# EAGLE board Mk4 Final Panel 8up 2x4 (EAGLE 9.0.1), part 17 of 23
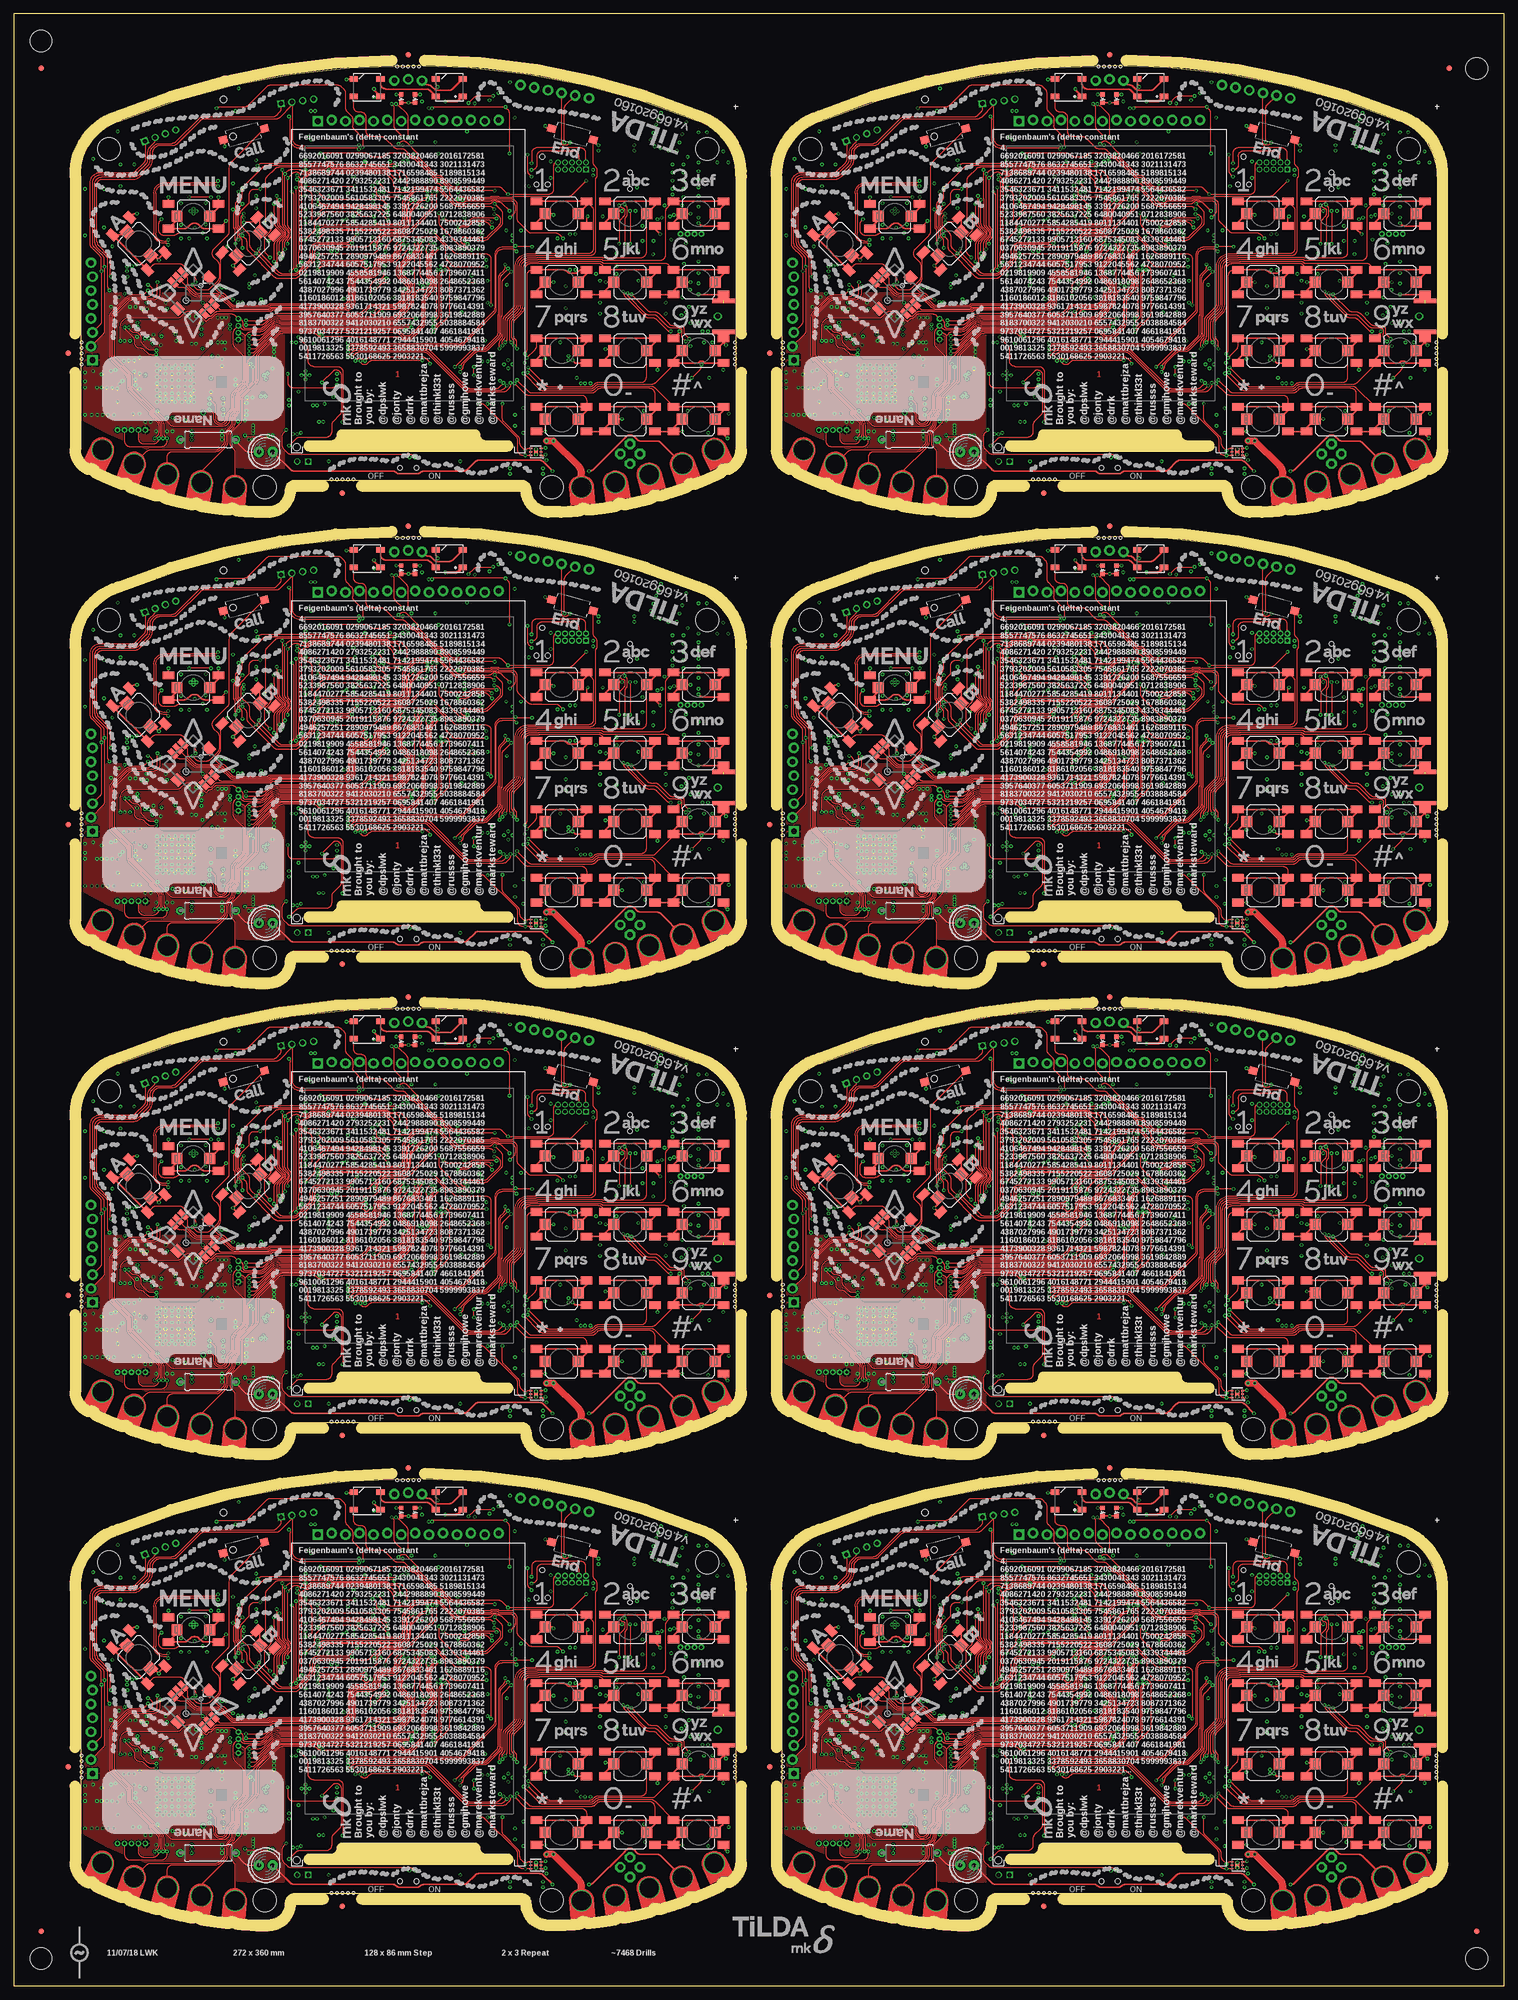
[diagram p0: board, top side]
## Tracks (layer width: path | path; a pad name or v marks a point on that pad's centre or on a via) (continued)
SDRAM_A59  (via drill 0.3) (continued)
  Top 0.15: v68.3,236.3 66.49,238.11 arc45 65.79,238.4 63.42,238.4 arc-45 63.28,238.46 63.28,238.47 arc45 63.13,238.53 56.94,238.53 arc45 56.23,238.23 v55.5,237.5 | v47,237.5 47,234.83 arc-45 46.71,234.12 46.14,233.56 arc45 45.85,232.85 45.85,230.81 arc45 46.14,230.11 v46.75,229.5
  Bottom 0.15: v55.5,237.5 IC73.13 v47,237.5 | IC73.32 v46.75,229.5 | IC74.25 68.6,231.26 68.62,231.28 68.62,235.56 arc45 68.33,236.27 v68.3,236.3
SDRAM_A60  (via drill 0.3)
  Top 0.15: v61.75,232.1 v61.74,232.09 arc-45 61.04,231.8 55.75,231.8 arc90 54.5,230.55 54.5,229.5 arc-45 54.21,228.79 51.89,226.47 arc-45 51.18,226.18 48.74,226.18 arc-45 48.03,226.47 v44.25,230.25 43.29,231.21 arc-45 43,231.91 43,233.33 arc45 42.71,234.03 41.47,235.27 arc-45 41.4,235.45 41.4,236.69 arc-45 41.55,237.05 v42,237.5
  Bottom 0.15: IC73.42 v42,237.5 | IC73.33 43.7,230.3 arc45 43.82,230.25 v44.25,230.25 | IC74.40 63.66,233.6 arc45 62.96,233.31 v61.75,232.1
SDRAM_A61  (via drill 0.3)
  Top 0.15: v41.75,231.25 41.75,232.34 arc45 41.46,233.05 41.38,233.12 arc-45 41.16,233.65 41.16,234.58 arc45 41.09,234.76 40.87,234.98 arc-45 40.8,235.16 40.8,237.24 arc-45 40.95,237.59 41.02,237.67 arc45 41.16,238.02 41.16,238.25 arc-45 41.46,238.96 v41.75,239.25 | v62.65,233.75 61.32,232.42 arc-45 60.61,232.12 55.5,232.12 arc90 54,230.62 54,229.42 arc-45 53.71,228.72 51.76,226.77 arc-45 51.05,226.47 49.2,226.47 arc-45 48.49,226.77 45.04,230.22 arc-45 44.75,230.92 v44.75,231
  Bottom 0.15: IC73.44 42.65,239.1 42.65,239.1 arc45 42.29,239.25 v41.75,239.25 | v41.75,231.25 42.29,231.25 arc-45 42.65,231.1 IC73.34 44.51,231.1 arc-45 v44.75,231 | IC74.41 63.25,234 arc45 v62.65,233.75
SDRAM_A62  (via drill 0.3)
  Top 0.15: v55.5,230.25 55.58,230.18 65.35,230.18 arc45 66.06,230.47 66.9,231.31 arc45 67.05,231.66 v67.05,231.8 | v48.5,230.25 48.5,231.95 arc-45 48.79,232.65 49.48,233.34 arc90 49.48,234.4 48.79,235.09 arc-45 48.5,235.8 v48.5,240
  Bottom 0.15: IC73.45 43.82,239.9 arc45 43.96,239.96 arc-45 44.06,240 v48.5,240 | v55.5,230.25 55,230.25 54.95,230.3 IC73.22 53.8,230.3 arc-45 53.68,230.25 v48.5,230.25 | IC74.50 65.54,237.6 arc-45 66.24,237.31 66.76,236.79 arc-45 67.05,236.09 v67.05,231.8
SDRAM_A63  (via drill 0.3)
  Top 0.15: v41,232.75 41,233.08 40.86,233.22 40.86,234.46 arc45 40.79,234.64 40.57,234.85 arc-45 40.5,235.03 40.5,237.37 arc-45 40.65,237.72 40.72,237.79 arc45 40.86,238.14 40.86,238.95 arc-45 41.16,239.66 41.46,239.96 arc45 41.75,240.66 v41.75,242.25 45.53,246.03 arc-45 46.24,246.32 56.73,246.32 56.79,246.38 arc-90 58.21,246.38 58.42,246.18 68.97,246.18 arc-45 v69.47,245.97
  Bottom 0.15: IC73.48 42.55,242.3 42.5,242.25 v41.75,242.25 | IC73.36 42.55,232.7 42.5,232.75 v41,232.75 | v69.47,245.97 69.8,245.64 IC74.75
SDRAM_A64  (via drill 0.3)
  Top 0.15: v41,241.5 41,240.41 arc-45 40.71,239.71 arc45 40.5,239.21 40.5,238.49 40.52,238.47 40.52,238.1 arc-45 40.48,237.98 40.48,237.97 40.35,237.84 arc45 40.2,237.49 40.2,234.91 arc45 40.27,234.73 40.4,234.6 arc-45 40.48,234.42 40.48,232.53 40.5,232.51 v40.5,232 | v53.25,232.75 54.68,234.18 arc45 54.98,234.89 54.98,235.71 arc-45 55.27,236.42 56.46,237.61 arc-45 57.16,237.9 61.94,237.9 arc-45 62.64,237.61 62.96,237.29 arc45 63.66,237 v65.75,237
  Bottom 0.15: IC73.47 v41,241.5 | v40.5,232 42.42,232 arc-45 42.56,231.94 42.6,231.9 IC73.35 48.49,231.9 arc45 49.19,232.19 49.46,232.46 arc-45 50.16,232.75 v53.25,232.75 | IC74.49 65.27,237.2 arc-45 v65.75,237
SDRAM_A65  (via drill 0.3)
  Top 0.15: v177,245.5 v177,245.49 176.97,245.47 176.97,240.27 177.03,240.22 177.03,235.7 arc45 177.32,234.99 177.73,234.58 arc-90 177.73,233.17 177.27,232.71 arc45 176.97,232 176.97,230.52 177.03,230.47 177.03,230.03 177,230.01 v177,229.5 | v192.3,229.5 191.99,229.19 arc-45 191.29,228.9 184.51,228.9 arc-45 183.81,229.19 v183.5,229.5
  Bottom 0.15: IC91.2 178.21,246.3 arc45 177.51,246.01 v177,245.5 | IC92.29 195,230.03 arc90 194.5,230.53 194.12,230.53 | v183.5,229.5 IC91.23 v177,229.5 | 194.12,230.53 | 194.12,230.53 193.68,230.53 arc45 193.08,230.28 v192.3,229.5
SDRAM_A66  (via drill 0.3)
  Top 0.15: v192.3,228.75 arc-45 191.94,228.6 183.86,228.6 arc-45 v183.5,228.75 | v179.75,244.5 180.11,244.14 arc-45 180.4,243.44 180.4,242.13 arc45 180.44,242.03 arc-45 180.5,241.89 v180.5,228.75
  Bottom 0.15: v179.75,244.5 arc-45 180.23,244.7 IC91.4 | IC92.30 194.6,229.97 arc90 194.35,230.22 193.68,230.22 arc45 193.33,230.08 193.21,229.96 arc45 193,229.45 arc-90 v192.3,228.75 | v183.5,228.75 183.07,228.75 arc45 182.95,228.7 IC91.24 181.8,228.7 181.75,228.75 v180.5,228.75
SDRAM_A67  (via drill 0.3)
  Top 0.15: v179.7,243.75 179.73,243.72 arc-45 180.03,243.01 180.03,230.4 179.97,230.35 179.97,228.03 v180,228 | v192.3,228 v192.29,228.01 arc45 191.59,228.3 184.21,228.3 arc45 v183.51,228.01 v183.5,228
  Bottom 0.15: v179.7,243.75 arc-45 180.06,243.9 IC91.5 | v183.5,228 183.08,228 arc45 182.94,227.94 182.9,227.9 IC91.25 181.85,227.9 181.81,227.94 arc45 181.67,228 v180,228 | IC92.31 194.2,227.85 arc-90 193.7,227.35 192.8,227.35 arc-90 192.3,227.85 v192.3,228 v192.3,227.99
SDRAM_A68  (via drill 0.3)
  Top 0.15: v179.5,242.25 179.47,242.22 179.47,227.28 v179.5,227.25 | v183.5,227.25 183.96,227.71 arc-45 184.66,228 191.14,228 arc-45 191.84,227.71 192.02,227.53 arc90 192.73,227.53 v193.2,228
  Bottom 0.15: v183.5,227.25 183,227.25 182.85,227.1 IC91.26 181.9,227.1 181.81,227.19 arc45 181.67,227.25 v179.5,227.25 | v193.2,228 193.3,228 arc90 193.8,228.5 IC92.32 | v179.5,242.25 179.52,242.25 179.57,242.2 180.61,242.2 arc-45 180.75,242.14 180.78,242.11 arc90 181.83,242.11 182.02,242.3 IC91.7
SDRAM_A69  (via drill 0.3)
  Top 0.15: v183.5,241.5 184.58,240.42 arc45 185.29,240.12 194.71,240.12 arc-45 195.42,239.83 v196.25,239 | v178.75,241.5 178.95,241.3 arc-45 179.1,240.94 179.1,227.76 arc-45 178.95,227.4 v178.55,227
  Bottom 0.15: IC92.22 197.8,237.04 arc45 197.51,237.74 v196.25,239 | v178.75,241.5 IC91.8 v183.5,241.5 | IC91.29 171.59,227.1 arc-45 171.69,227.06 arc45 171.83,227 v178.55,227
SDRAM_A70  (via drill 0.3)
  Top 0.15: v176,240.75 175.97,240.72 175.97,239.58 arc45 176.02,239.48 arc-45 176.07,239.34 176.07,235.8 arc45 176.37,235.09 177.24,234.23 arc-90 177.24,233.52 176.27,232.55 arc45 175.97,231.85 175.97,229.4 176.03,229.35 176.03,228.03 v176,228 | v196.25,238 195.54,238.71 arc45 194.84,239 191.67,239 arc-45 191.53,239.06 191.53,239.07 arc45 191.38,239.12 184.79,239.12 arc-45 184.08,239.42 v183.5,240
  Bottom 0.15: v196.25,238 197.11,237.14 arc-45 197.4,236.44 IC92.23 | v176,240.75 176.09,240.75 arc-45 176.79,240.46 176.96,240.29 arc45 177.66,240 181.42,240 arc-45 181.56,239.94 arc45 181.66,239.9 IC91.10 182.82,239.9 arc45 182.96,239.96 arc-45 183.06,240 v183.5,240 | IC91.30 171.59,227.9 arc45 171.69,227.94 arc-45 171.83,228 v176,228
SDRAM_A71  (via drill 0.3)
  Top 0.15: v175.5,239.25 175.5,237.74 175.53,237.72 175.53,235.93 arc45 175.82,235.22 176.99,234.05 arc-90 176.99,233.7 175.79,232.5 arc45 175.5,231.8 v175.5,228.75 | v196.25,237.25 195.09,238.41 arc45 194.39,238.7 191.55,238.7 arc-45 191.41,238.76 191.4,238.77 arc45 191.26,238.82 184.34,238.82 arc-45 183.63,239.12 v183.5,239.25
  Bottom 0.15: v196.25,237.25 196.71,236.79 arc-45 197,236.09 IC92.24 | v175.5,239.25 181.42,239.25 arc-45 181.56,239.19 181.59,239.16 arc45 181.73,239.1 IC91.11 182.77,239.1 arc45 182.91,239.16 182.94,239.19 arc-45 183.08,239.25 v183.5,239.25 | IC91.31 171.7,228.7 arc-45 171.82,228.75 v175.5,228.75
SDRAM_A72  (via drill 0.3)
  Top 0.15: v196.3,236.3 194.49,238.11 arc45 193.79,238.4 191.43,238.4 arc-45 191.28,238.46 191.28,238.47 arc45 191.13,238.53 184.94,238.53 arc45 184.23,238.23 v183.5,237.5 | v175,237.5 175,234.83 arc-45 174.71,234.12 174.14,233.56 arc45 173.85,232.85 173.85,230.81 arc45 174.14,230.11 v174.75,229.5
  Bottom 0.15: v183.5,237.5 IC91.13 v175,237.5 | IC91.32 v174.75,229.5 | IC92.25 196.6,231.26 196.62,231.28 196.62,235.56 arc45 196.33,236.27 v196.3,236.3
SDRAM_A73  (via drill 0.3)
  Top 0.15: v189.75,232.1 v189.74,232.09 arc-45 189.04,231.8 183.75,231.8 arc90 182.5,230.55 182.5,229.5 arc-45 182.21,228.79 179.88,226.47 arc-45 179.18,226.18 176.74,226.18 arc-45 176.03,226.47 v172.25,230.25 171.29,231.21 arc-45 171,231.91 171,233.33 arc45 170.71,234.03 169.47,235.27 arc-45 169.4,235.45 169.4,236.69 arc-45 169.55,237.05 v170,237.5
  Bottom 0.15: IC91.42 v170,237.5 | IC91.33 171.7,230.3 arc45 171.82,230.25 v172.25,230.25 | IC92.40 191.66,233.6 arc45 190.96,233.31 v189.75,232.1
SDRAM_A74  (via drill 0.3)
  Top 0.15: v169.75,231.25 169.75,232.34 arc45 169.46,233.05 169.38,233.12 arc-45 169.16,233.65 169.16,234.58 arc45 169.09,234.76 168.87,234.98 arc-45 168.8,235.16 168.8,237.24 arc-45 168.95,237.59 169.02,237.67 arc45 169.16,238.02 169.16,238.25 arc-45 169.46,238.96 v169.75,239.25 | v190.65,233.75 189.32,232.42 arc-45 188.61,232.12 183.5,232.12 arc90 182,230.62 182,229.42 arc-45 181.71,228.72 179.76,226.77 arc-45 179.05,226.47 177.2,226.47 arc-45 176.49,226.77 173.04,230.22 arc-45 172.75,230.92 v172.75,231
  Bottom 0.15: IC91.44 170.65,239.1 170.65,239.1 arc45 170.29,239.25 v169.75,239.25 | v169.75,231.25 170.29,231.25 arc-45 170.65,231.1 IC91.34 172.51,231.1 arc-45 v172.75,231 | IC92.41 191.25,234 arc45 v190.65,233.75
SDRAM_A75  (via drill 0.3)
  Top 0.15: v183.5,230.25 183.57,230.18 193.35,230.18 arc45 194.06,230.47 194.9,231.31 arc45 195.05,231.66 v195.05,231.8 | v176.5,230.25 176.5,231.95 arc-45 176.79,232.65 177.48,233.34 arc90 177.48,234.4 176.79,235.09 arc-45 176.5,235.8 v176.5,240
  Bottom 0.15: IC91.45 171.82,239.9 arc45 171.96,239.96 arc-45 172.06,240 v176.5,240 | v183.5,230.25 183,230.25 182.95,230.3 IC91.22 181.8,230.3 arc-45 181.68,230.25 v176.5,230.25 | IC92.50 193.54,237.6 arc-45 194.24,237.31 194.76,236.79 arc-45 195.05,236.09 v195.05,231.8
SDRAM_A76  (via drill 0.3)
  Top 0.15: v169,232.75 169,233.08 168.86,233.22 168.86,234.46 arc45 168.79,234.64 168.57,234.85 arc-45 168.5,235.03 168.5,237.37 arc-45 168.65,237.72 168.72,237.79 arc45 168.86,238.14 168.86,238.95 arc-45 169.16,239.66 169.46,239.96 arc45 169.75,240.66 v169.75,242.25 173.53,246.03 arc-45 174.24,246.32 184.73,246.32 184.79,246.38 arc-90 186.21,246.38 186.42,246.18 196.97,246.18 arc-45 v197.47,245.97
  Bottom 0.15: IC91.48 170.55,242.3 170.5,242.25 v169.75,242.25 | IC91.36 170.55,232.7 170.5,232.75 v169,232.75 | v197.47,245.97 197.8,245.64 IC92.75
SDRAM_A77  (via drill 0.3)
  Top 0.15: v169,241.5 169,240.41 arc-45 168.71,239.71 arc45 168.5,239.21 168.5,238.49 168.53,238.47 168.53,238.1 arc-45 168.47,237.98 168.47,237.97 168.35,237.84 arc45 168.2,237.49 168.2,234.91 arc45 168.27,234.73 168.4,234.6 arc-45 168.47,234.42 168.47,232.53 168.5,232.51 v168.5,232 | v181.25,232.75 182.68,234.18 arc45 182.97,234.89 182.97,235.71 arc-45 183.27,236.42 184.46,237.61 arc-45 185.16,237.9 189.94,237.9 arc-45 190.64,237.61 190.96,237.29 arc45 191.66,237 v193.75,237
  Bottom 0.15: IC91.47 v169,241.5 | v168.5,232 170.42,232 arc-45 170.56,231.94 170.6,231.9 IC91.35 176.49,231.9 arc45 177.19,232.19 177.46,232.46 arc-45 178.16,232.75 v181.25,232.75 | IC92.49 193.27,237.2 arc-45 v193.75,237
SDRAM_A78  (via drill 0.3)
  Top 0.15: v49,331.5 v49,331.49 48.98,331.47 48.98,326.27 49.02,326.22 49.02,321.7 arc45 49.32,320.99 49.73,320.58 arc-90 49.73,319.17 49.27,318.7 arc45 48.98,318 48.98,316.52 49.02,316.47 49.02,316.03 49,316.01 v49,315.5 | v64.3,315.5 63.99,315.19 arc-45 63.29,314.9 56.51,314.9 arc-45 55.81,315.19 v55.5,315.5
  Bottom 0.15: IC109.2 50.21,332.3 arc45 49.51,332.01 v49,331.5 | IC110.29 67,316.02 arc90 66.5,316.52 66.12,316.52 | v55.5,315.5 IC109.23 v49,315.5 | 66.12,316.52 | 66.12,316.52 65.68,316.52 arc45 65.08,316.28 v64.3,315.5
SDRAM_A79  (via drill 0.3)
  Top 0.15: v64.3,314.75 arc-45 63.94,314.6 55.86,314.6 arc-45 v55.5,314.75 | v51.75,330.5 52.11,330.14 arc-45 52.4,329.44 52.4,328.13 arc45 52.44,328.03 arc-45 52.5,327.89 v52.5,314.75
  Bottom 0.15: v51.75,330.5 arc-45 52.23,330.7 IC109.4 | IC110.30 66.6,315.98 arc90 66.35,316.23 65.68,316.23 arc45 65.33,316.08 65.21,315.96 arc45 65,315.45 arc-90 v64.3,314.75 | v55.5,314.75 55.07,314.75 arc45 54.95,314.7 IC109.24 53.8,314.7 53.75,314.75 v52.5,314.75
SDRAM_A80  (via drill 0.3)
  Top 0.15: v51.7,329.75 51.73,329.72 arc-45 52.02,329.01 52.02,316.4 51.98,316.35 51.98,314.02 v52,314 | v64.3,314 v64.29,314.01 arc45 63.59,314.3 56.21,314.3 arc45 v55.51,314.01 v55.5,314
  Bottom 0.15: v51.7,329.75 arc-45 52.06,329.9 IC109.5 | v55.5,314 55.08,314 arc45 54.94,313.94 54.9,313.9 IC109.25 53.85,313.9 53.81,313.94 arc45 53.67,314 v52,314 | IC110.31 66.2,313.85 arc-90 65.7,313.35 64.8,313.35 arc-90 64.3,313.85 v64.3,314 v64.3,313.99
SDRAM_A81  (via drill 0.3)
  Top 0.15: v51.5,328.25 51.48,328.23 51.48,313.27 v51.5,313.25 | v55.5,313.25 55.96,313.71 arc-45 56.66,314 63.14,314 arc-45 63.84,313.71 64.02,313.53 arc90 64.73,313.53 v65.2,314
  Bottom 0.15: v55.5,313.25 55,313.25 54.85,313.1 IC109.26 53.9,313.1 53.81,313.19 arc45 53.67,313.25 v51.5,313.25 | v65.2,314 65.3,314 arc90 65.8,314.5 IC110.32 | v51.5,328.25 51.52,328.25 51.57,328.2 52.61,328.2 arc-45 52.75,328.14 52.77,328.11 arc90 53.84,328.11 54.02,328.3 IC109.7
SDRAM_A82  (via drill 0.3)
  Top 0.15: v55.5,327.5 56.58,326.42 arc45 57.29,326.12 66.71,326.12 arc-45 67.42,325.83 v68.25,325 | v50.75,327.5 50.95,327.3 arc-45 51.1,326.94 51.1,313.76 arc-45 50.95,313.4 v50.55,313
  Bottom 0.15: IC110.22 69.8,323.04 arc45 69.51,323.74 v68.25,325 | v50.75,327.5 IC109.8 v55.5,327.5 | IC109.29 43.59,313.1 arc-45 43.69,313.06 arc45 43.83,313 v50.55,313
SDRAM_A83  (via drill 0.3)
  Top 0.15: v48,326.75 47.98,326.73 47.98,325.58 arc45 48.02,325.48 arc-45 48.08,325.33 48.08,321.8 arc45 48.37,321.09 49.23,320.23 arc-90 49.23,319.52 48.27,318.55 arc45 47.98,317.85 47.98,315.4 48.02,315.35 48.02,314.02 v48,314 | v68.25,324 67.54,324.71 arc45 66.84,325 63.67,325 arc-45 63.53,325.06 63.52,325.07 arc45 63.38,325.12 56.79,325.12 arc-45 56.08,325.42 v55.5,326
  Bottom 0.15: v68.25,324 69.11,323.14 arc-45 69.4,322.44 IC110.23 | v48,326.75 48.09,326.75 arc-45 48.79,326.46 48.96,326.29 arc45 49.66,326 53.42,326 arc-45 53.56,325.94 arc45 53.66,325.9 IC109.10 54.82,325.9 arc45 54.96,325.96 arc-45 55.06,326 v55.5,326 | IC109.30 43.59,313.9 arc45 43.69,313.94 arc-45 43.83,314 v48,314
SDRAM_A84  (via drill 0.3)
  Top 0.15: v47.5,325.25 47.5,323.74 47.52,323.72 47.52,321.93 arc45 47.82,321.22 48.99,320.05 arc-90 48.99,319.7 47.79,318.5 arc45 47.5,317.8 v47.5,314.75 | v68.25,323.25 67.09,324.41 arc45 66.39,324.7 63.55,324.7 arc-45 63.41,324.76 63.4,324.77 arc45 63.26,324.82 56.34,324.82 arc-45 55.63,325.12 v55.5,325.25
  Bottom 0.15: v68.25,323.25 68.71,322.79 arc-45 69,322.09 IC110.24 | v47.5,325.25 53.42,325.25 arc-45 53.56,325.19 53.59,325.16 arc45 53.73,325.1 IC109.11 54.77,325.1 arc45 54.91,325.16 54.94,325.19 arc-45 55.08,325.25 v55.5,325.25 | IC109.31 43.7,314.7 arc-45 43.82,314.75 v47.5,314.75
SDRAM_A85  (via drill 0.3)
  Top 0.15: v68.3,322.3 66.49,324.11 arc45 65.79,324.4 63.42,324.4 arc-45 63.28,324.46 63.28,324.47 arc45 63.13,324.52 56.94,324.52 arc45 56.23,324.23 v55.5,323.5 | v47,323.5 47,320.83 arc-45 46.71,320.12 46.14,319.56 arc45 45.85,318.85 45.85,316.81 arc45 46.14,316.11 v46.75,315.5
  Bottom 0.15: v55.5,323.5 IC109.13 v47,323.5 | IC109.32 v46.75,315.5 | IC110.25 68.6,317.26 68.62,317.28 68.62,321.56 arc45 68.33,322.27 v68.3,322.3
SDRAM_A86  (via drill 0.3)
  Top 0.15: v61.75,318.1 v61.74,318.09 arc-45 61.04,317.8 55.75,317.8 arc90 54.5,316.55 54.5,315.5 arc-45 54.21,314.79 51.89,312.47 arc-45 51.18,312.18 48.74,312.18 arc-45 48.03,312.47 v44.25,316.25 43.29,317.21 arc-45 43,317.91 43,319.33 arc45 42.71,320.04 41.47,321.27 arc-45 41.4,321.45 41.4,322.69 arc-45 41.55,323.05 v42,323.5
  Bottom 0.15: IC109.42 v42,323.5 | IC109.33 43.7,316.3 arc45 43.82,316.25 v44.25,316.25 | IC110.40 63.66,319.6 arc45 62.96,319.31 v61.75,318.1
SDRAM_A87  (via drill 0.3)
  Top 0.15: v41.75,317.25 41.75,318.34 arc45 41.46,319.05 41.38,319.12 arc-45 41.16,319.65 41.16,320.58 arc45 41.09,320.76 40.87,320.98 arc-45 40.8,321.15 40.8,323.24 arc-45 40.95,323.6 41.02,323.67 arc45 41.16,324.02 41.16,324.25 arc-45 41.46,324.96 v41.75,325.25 | v62.65,319.75 61.32,318.42 arc-45 60.61,318.12 55.5,318.12 arc90 54,316.62 54,315.42 arc-45 53.71,314.71 51.76,312.77 arc-45 51.05,312.48 49.2,312.48 arc-45 48.49,312.77 45.04,316.21 arc-45 44.75,316.92 v44.75,317
  Bottom 0.15: IC109.44 42.65,325.1 42.65,325.1 arc45 42.29,325.25 v41.75,325.25 | v41.75,317.25 42.29,317.25 arc-45 42.65,317.1 IC109.34 44.51,317.1 arc-45 v44.75,317 | IC110.41 63.25,320 arc45 v62.65,319.75
SDRAM_A88  (via drill 0.3)
  Top 0.15: v55.5,316.25 55.58,316.18 65.35,316.18 arc45 66.06,316.47 66.9,317.31 arc45 67.05,317.67 v67.05,317.8 | v48.5,316.25 48.5,317.95 arc-45 48.79,318.65 49.48,319.34 arc90 49.48,320.4 48.79,321.09 arc-45 48.5,321.8 v48.5,326
  Bottom 0.15: IC109.45 43.82,325.9 arc45 43.96,325.96 arc-45 44.06,326 v48.5,326 | v55.5,316.25 55,316.25 54.95,316.3 IC109.22 53.8,316.3 arc-45 53.68,316.25 v48.5,316.25 | IC110.50 65.54,323.6 arc-45 66.24,323.31 66.76,322.79 arc-45 67.05,322.09 v67.05,317.8
SDRAM_A89  (via drill 0.3)
  Top 0.15: v41,318.75 41,319.08 40.86,319.22 40.86,320.46 arc45 40.79,320.64 40.57,320.85 arc-45 40.5,321.03 40.5,323.37 arc-45 40.65,323.72 40.72,323.79 arc45 40.86,324.14 40.86,324.95 arc-45 41.16,325.66 41.46,325.96 arc45 41.75,326.66 v41.75,328.25 45.53,332.03 arc-45 46.24,332.32 56.73,332.32 56.79,332.38 arc-90 58.21,332.38 58.42,332.18 68.97,332.18 arc-45 v69.47,331.97
  Bottom 0.15: IC109.48 42.55,328.3 42.5,328.25 v41.75,328.25 | IC109.36 42.55,318.7 42.5,318.75 v41,318.75 | v69.47,331.97 69.8,331.64 IC110.75
SDRAM_A90  (via drill 0.3)
  Top 0.15: v41,327.5 41,326.41 arc-45 40.71,325.71 arc45 40.5,325.21 40.5,324.49 40.52,324.47 40.52,324.1 arc-45 40.48,323.98 40.48,323.97 40.35,323.84 arc45 40.2,323.49 40.2,320.91 arc45 40.27,320.73 40.4,320.6 arc-45 40.48,320.42 40.48,318.53 40.5,318.51 v40.5,318 | v53.25,318.75 54.68,320.18 arc45 54.98,320.89 54.98,321.71 arc-45 55.27,322.42 56.46,323.61 arc-45 57.16,323.9 61.94,323.9 arc-45 62.64,323.61 62.96,323.29 arc45 63.66,323 v65.75,323
  Bottom 0.15: IC109.47 v41,327.5 | v40.5,318 42.42,318 arc-45 42.56,317.94 42.6,317.9 IC109.35 48.49,317.9 arc45 49.19,318.19 49.46,318.46 arc-45 50.16,318.75 v53.25,318.75 | IC110.49 65.27,323.2 arc-45 v65.75,323
SDRAM_A91  (via drill 0.3)
  Top 0.15: v177,331.5 v177,331.49 176.97,331.47 176.97,326.27 177.03,326.22 177.03,321.7 arc45 177.32,320.99 177.73,320.58 arc-90 177.73,319.17 177.27,318.7 arc45 176.97,318 176.97,316.52 177.03,316.47 177.03,316.03 177,316.01 v177,315.5 | v192.3,315.5 191.99,315.19 arc-45 191.29,314.9 184.51,314.9 arc-45 183.81,315.19 v183.5,315.5
  Bottom 0.15: IC127.2 178.21,332.3 arc45 177.51,332.01 v177,331.5 | IC128.29 195,316.02 arc90 194.5,316.52 194.12,316.52 | v183.5,315.5 IC127.23 v177,315.5 | 194.12,316.52 | 194.12,316.52 193.68,316.52 arc45 193.08,316.28 v192.3,315.5
SDRAM_A92  (via drill 0.3)
  Top 0.15: v192.3,314.75 arc-45 191.94,314.6 183.86,314.6 arc-45 v183.5,314.75 | v179.75,330.5 180.11,330.14 arc-45 180.4,329.44 180.4,328.13 arc45 180.44,328.03 arc-45 180.5,327.89 v180.5,314.75
  Bottom 0.15: v179.75,330.5 arc-45 180.23,330.7 IC127.4 | IC128.30 194.6,315.98 arc90 194.35,316.23 193.68,316.23 arc45 193.33,316.08 193.21,315.96 arc45 193,315.45 arc-90 v192.3,314.75 | v183.5,314.75 183.07,314.75 arc45 182.95,314.7 IC127.24 181.8,314.7 181.75,314.75 v180.5,314.75
SDRAM_A93  (via drill 0.3)
  Top 0.15: v179.7,329.75 179.73,329.72 arc-45 180.03,329.01 180.03,316.4 179.97,316.35 179.97,314.02 v180,314 | v192.3,314 v192.29,314.01 arc45 191.59,314.3 184.21,314.3 arc45 v183.51,314.01 v183.5,314
  Bottom 0.15: v179.7,329.75 arc-45 180.06,329.9 IC127.5 | v183.5,314 183.08,314 arc45 182.94,313.94 182.9,313.9 IC127.25 181.85,313.9 181.81,313.94 arc45 181.67,314 v180,314 | IC128.31 194.2,313.85 arc-90 193.7,313.35 192.8,313.35 arc-90 192.3,313.85 v192.3,314 v192.3,313.99
SDRAM_A94  (via drill 0.3)
  Top 0.15: v179.5,328.25 179.47,328.23 179.47,313.27 v179.5,313.25 | v183.5,313.25 183.96,313.71 arc-45 184.66,314 191.14,314 arc-45 191.84,313.71 192.02,313.53 arc90 192.73,313.53 v193.2,314
  Bottom 0.15: v183.5,313.25 183,313.25 182.85,313.1 IC127.26 181.9,313.1 181.81,313.19 arc45 181.67,313.25 v179.5,313.25 | v193.2,314 193.3,314 arc90 193.8,314.5 IC128.32 | v179.5,328.25 179.52,328.25 179.57,328.2 180.61,328.2 arc-45 180.75,328.14 180.78,328.11 arc90 181.83,328.11 182.02,328.3 IC127.7
SDRAM_A95  (via drill 0.3)
  Top 0.15: v183.5,327.5 184.58,326.42 arc45 185.29,326.12 194.71,326.12 arc-45 195.42,325.83 v196.25,325 | v178.75,327.5 178.95,327.3 arc-45 179.1,326.94 179.1,313.76 arc-45 178.95,313.4 v178.55,313
  Bottom 0.15: IC128.22 197.8,323.04 arc45 197.51,323.74 v196.25,325 | v178.75,327.5 IC127.8 v183.5,327.5 | IC127.29 171.59,313.1 arc-45 171.69,313.06 arc45 171.83,313 v178.55,313
SDRAM_A96  (via drill 0.3)
  Top 0.15: v176,326.75 175.97,326.73 175.97,325.58 arc45 176.02,325.48 arc-45 176.07,325.33 176.07,321.8 arc45 176.37,321.09 177.24,320.23 arc-90 177.24,319.52 176.27,318.55 arc45 175.97,317.85 175.97,315.4 176.03,315.35 176.03,314.02 v176,314 | v196.25,324 195.54,324.71 arc45 194.84,325 191.67,325 arc-45 191.53,325.06 191.53,325.07 arc45 191.38,325.12 184.79,325.12 arc-45 184.08,325.42 v183.5,326
  Bottom 0.15: v196.25,324 197.11,323.14 arc-45 197.4,322.44 IC128.23 | v176,326.75 176.09,326.75 arc-45 176.79,326.46 176.96,326.29 arc45 177.66,326 181.42,326 arc-45 181.56,325.94 arc45 181.66,325.9 IC127.10 182.82,325.9 arc45 182.96,325.96 arc-45 183.06,326 v183.5,326 | IC127.30 171.59,313.9 arc45 171.69,313.94 arc-45 171.83,314 v176,314
SDRAM_A97  (via drill 0.3)
  Top 0.15: v175.5,325.25 175.5,323.74 175.53,323.72 175.53,321.93 arc45 175.82,321.22 176.99,320.05 arc-90 176.99,319.7 175.79,318.5 arc45 175.5,317.8 v175.5,314.75 | v196.25,323.25 195.09,324.41 arc45 194.39,324.7 191.55,324.7 arc-45 191.41,324.76 191.4,324.77 arc45 191.26,324.82 184.34,324.82 arc-45 183.63,325.12 v183.5,325.25
  Bottom 0.15: v196.25,323.25 196.71,322.79 arc-45 197,322.09 IC128.24 | v175.5,325.25 181.42,325.25 arc-45 181.56,325.19 181.59,325.16 arc45 181.73,325.1 IC127.11 182.77,325.1 arc45 182.91,325.16 182.94,325.19 arc-45 183.08,325.25 v183.5,325.25 | IC127.31 171.7,314.7 arc-45 171.82,314.75 v175.5,314.75
SDRAM_A98  (via drill 0.3)
  Top 0.15: v196.3,322.3 194.49,324.11 arc45 193.79,324.4 191.43,324.4 arc-45 191.28,324.46 191.28,324.47 arc45 191.13,324.52 184.94,324.52 arc45 184.23,324.23 v183.5,323.5 | v175,323.5 175,320.83 arc-45 174.71,320.12 174.14,319.56 arc45 173.85,318.85 173.85,316.81 arc45 174.14,316.11 v174.75,315.5
  Bottom 0.15: v183.5,323.5 IC127.13 v175,323.5 | IC127.32 v174.75,315.5 | IC128.25 196.6,317.26 196.62,317.28 196.62,321.56 arc45 196.33,322.27 v196.3,322.3
SDRAM_A99  (via drill 0.3)
  Top 0.15: v189.75,318.1 v189.74,318.09 arc-45 189.04,317.8 183.75,317.8 arc90 182.5,316.55 182.5,315.5 arc-45 182.21,314.79 179.88,312.47 arc-45 179.18,312.18 176.74,312.18 arc-45 176.03,312.47 v172.25,316.25 171.29,317.21 arc-45 171,317.91 171,319.33 arc45 170.71,320.04 169.47,321.27 arc-45 169.4,321.45 169.4,322.69 arc-45 169.55,323.05 v170,323.5
  Bottom 0.15: IC127.42 v170,323.5 | IC127.33 171.7,316.3 arc45 171.82,316.25 v172.25,316.25 | IC128.40 191.66,319.6 arc45 190.96,319.31 v189.75,318.1
SDRAM_A100  (via drill 0.3)
  Top 0.15: v169.75,317.25 169.75,318.34 arc45 169.46,319.05 169.38,319.12 arc-45 169.16,319.65 169.16,320.58 arc45 169.09,320.76 168.87,320.98 arc-45 168.8,321.15 168.8,323.24 arc-45 168.95,323.6 169.02,323.67 arc45 169.16,324.02 169.16,324.25 arc-45 169.46,324.96 v169.75,325.25 | v190.65,319.75 189.32,318.42 arc-45 188.61,318.12 183.5,318.12 arc90 182,316.62 182,315.42 arc-45 181.71,314.71 179.76,312.77 arc-45 179.05,312.48 177.2,312.48 arc-45 176.49,312.77 173.04,316.21 arc-45 172.75,316.92 v172.75,317
  Bottom 0.15: IC127.44 170.65,325.1 170.65,325.1 arc45 170.29,325.25 v169.75,325.25 | v169.75,317.25 170.29,317.25 arc-45 170.65,317.1 IC127.34 172.51,317.1 arc-45 v172.75,317 | IC128.41 191.25,320 arc45 v190.65,319.75
SDRAM_A101  (via drill 0.3)
  Top 0.15: v183.5,316.25 183.57,316.18 193.35,316.18 arc45 194.06,316.47 194.9,317.31 arc45 195.05,317.67 v195.05,317.8 | v176.5,316.25 176.5,317.95 arc-45 176.79,318.65 177.48,319.34 arc90 177.48,320.4 176.79,321.09 arc-45 176.5,321.8 v176.5,326
  Bottom 0.15: IC127.45 171.82,325.9 arc45 171.96,325.96 arc-45 172.06,326 v176.5,326 | v183.5,316.25 183,316.25 182.95,316.3 IC127.22 181.8,316.3 arc-45 181.68,316.25 v176.5,316.25 | IC128.50 193.54,323.6 arc-45 194.24,323.31 194.76,322.79 arc-45 195.05,322.09 v195.05,317.8
SDRAM_A102  (via drill 0.3)
  Top 0.15: v169,318.75 169,319.08 168.86,319.22 168.86,320.46 arc45 168.79,320.64 168.57,320.85 arc-45 168.5,321.03 168.5,323.37 arc-45 168.65,323.72 168.72,323.79 arc45 168.86,324.14 168.86,324.95 arc-45 169.16,325.66 169.46,325.96 arc45 169.75,326.66 v169.75,328.25 173.53,332.03 arc-45 174.24,332.32 184.73,332.32 184.79,332.38 arc-90 186.21,332.38 186.42,332.18 196.97,332.18 arc-45 v197.47,331.97